# Allegro board HY_TYPEC_ADAPTER_V10_240925.brd
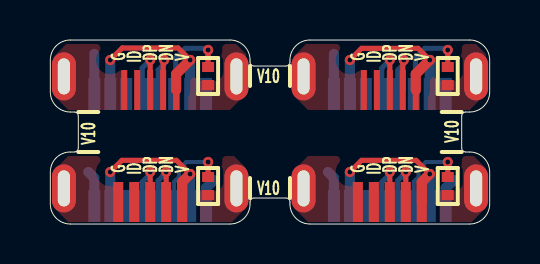
[diagram p0: board, top side]
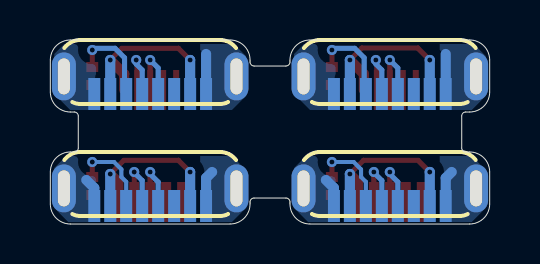
[diagram p1: board, bottom side, seen from below]

Outline 22 x 9.2 mm; copper layers: TOP, BOTTOM. Coordinates in mm from the lower left corner of the outline.
Outline path: 0,8.2 0,6.6 arc(0.29,5.89) 1,5.6 1.2,5.6 arc(1.34,5.54) 1.4,5.4 1.4,3.8 arc(1.34,3.66) 1.2,3.6 1,3.6 arc(0.29,3.31) 0,2.6 0,1 arc(0.29,0.29) 1,0 9,0 arc(9.71,0.29) 10,1 10,1.1 arc(10.06,1.24) 10.2,1.3 11.8,1.3 arc(11.94,1.24) 12,1.1 12,1 arc(12.29,0.29) 13,0 21,0 arc(21.71,0.29) 22,1 22,2.6 arc(21.71,3.31) 21,3.6 20.8,3.6 arc(20.66,3.66) 20.6,3.8 20.6,5.4 arc(20.66,5.54) 20.8,5.6 21,5.6 arc(21.71,5.89) 22,6.6 22,8.2 arc(21.71,8.91) 21,9.2 13,9.2 arc(12.29,8.91) 12,8.2 12,8.1 arc(11.94,7.96) 11.8,7.9 10.2,7.9 arc(10.06,7.96) 10,8.1 10,8.2 arc(9.71,8.91) 9,9.2 1,9.2 arc(0.29,8.91) 0,8.2

## Design rules (mm)
constraint set DEFAULT: min track width 0.203, pair gap 0.203

## Placement (name value [footprint] x y rotation side)
J1  -  [YTC-TC8S-126]  5 0.9 180 bottom
J2  -  [YTC-TC8S-126]  5 6.5 180 bottom
J3  -  [YTC-TC8S-126]  17 0.9 180 bottom
J4  -  [YTC-TC8S-126]  17 6.5 180 bottom
NOREF  -  []  0 0 0 top
NOREF#2  -  []  0 0 90 top
R8  5.1K  [R0402]  7.9 1.9 90 top
R9  5.1K  [R0402]  7.9 7.4 90 top
R10  5.1K  [R0402]  19.9 1.9 90 top
R11  5.1K  [R0402]  19.9 7.4 90 top
TP1  TP  [PAD0R50X2R00]  5.8 1.1 0 top
TP2  TP  [PAD0R50X2R00]  5 1.1 0 top
TP3  TP  [PAD0R50X2R00]  6.6 1.1 0 top
TP4  TP  [PAD0R50X2R00]  3.4 1.1 0 top
TP5  TP  [PAD0R30X2R00]  5.65 6.7 0 top
TP6  TP  [PAD0R30X2R00]  5 6.7 0 top
TP7  TP  [PAD0R30X2R00]  6.3 6.7 0 top
TP8  TP  [PAD0R30X2R00]  3.7 6.7 0 top
TP9  TP  [PAD0R50X2R00]  4.2 1.1 0 top
TP10  TP  [PAD0R30X2R00]  4.35 6.7 0 top
TP11  TP  [PAD0R50X2R00]  16.2 1.1 0 top
TP12  TP  [PAD0R50X2R00]  15.4 1.1 0 top
TP13  TP  [PAD0R50X2R00]  18.6 1.1 0 top
TP14  TP  [PAD0R50X2R00]  17 1.1 0 top
TP15  TP  [PAD0R50X2R00]  17.8 1.1 0 top
TP16  TP  [PAD0R30X2R00]  16.35 6.7 0 top
TP17  TP  [PAD0R30X2R00]  15.7 6.7 0 top
TP18  TP  [PAD0R30X2R00]  18.3 6.7 0 top
TP19  TP  [PAD0R30X2R00]  17 6.7 0 top
TP20  TP  [PAD0R30X2R00]  17.65 6.7 0 top

## Library data of the parts
J1-J4 = YTC-TC8S-126
R8-R11 = R_Generic
TP1-TP20 = TP

## Footprints (pads in the part's own frame, mm; a bottom-side part is the same pattern mirrored in y, then rotated)
PAD0R30X2R00
  rect 0.3x2 smd: 1(0,0)
PAD0R50X2R00
  rect 0.5x2 smd: 1(0,0)
R0402
  rect 0.5x0.6 smd: 1(-0.45,0) 2(0.45,0)
YTC-TC8S-126
  rect 0.6x1.6 smd: 1(-2.8,0) 2(-2,0) 3(-1.2,0) 4(-0.4,0) 5(0.4,0) 6(1.2,0) 7(2,0) 8(2.8,0)
  oval 1.2x2.4 hole 0.6x1.8: 9(-4.32,0.88) 10(4.32,0.88)

## Nets
N17554702: J1.8 J1.10 TP4.1
N17554756: J1.1 J1.9 R8.1
N17554853: J1.2(B9/VBUS) J1.7 TP3.1
N17554865: J1.4 TP1.1
N17554868: J1.5 TP2.1
N17554981: J1.3 R8.2
N17556265: J2.1 J2.9 R9.1
N17556338: J2.2(B9/VBUS) J2.7 TP7.1
N17556342: J2.3 R9.2
N17556344: J2.8 J2.10 TP8.1
N17556348: J2.5 TP6.1
N17556350: J2.4 TP5.1
N17558324: J3.1 J3.9 R10.1
N17558403: J3.2(B9/VBUS) J3.7 TP13.1
N17558407: J3.3 R10.2
N17558409: J3.8 J3.10 TP12.1
N17558413: J3.5 TP14.1
N17558415: J3.4 TP15.1
N17558449: J4.1 J4.9 R11.1
N17558522: J4.2(B9/VBUS) J4.7 TP18.1
N17558526: J4.3 R11.2
N17558528: J4.8 J4.10 TP17.1
N17558532: J4.5 TP19.1
N17558534: J4.4 TP20.1

Pads without a net: J1 6; J2 6; J3 6; J4 6; TP9 1; TP10 1; TP11 1; TP16 1

## Via types
v1: diameter 0.508, hole 0.254, TOP to BOTTOM, 20 vias

## Routing (per net, layer and track width the routed paths; a pad name or vN(x,y) marks a point on that pad's centre or on a via; arc(x,y) is an arc through that point)
N17554702: length 1.8
  BOTTOM w0.508: 1.9,2.6 2.2,2.3 J1.8
N17554756: length 1.5
  BOTTOM w0.508: 8.2,2.2 7.8,1.8 J1.1
N17554853: length 9.4
  TOP w0.254: v1(3,2.6) 3.58,3.18 6.32,3.18 v1(7,2.5)
  TOP w0.508: TP3.1 6.6,2.1 v1(7,2.5)
  BOTTOM w0.508: v1(3,2.6) J1.7 ; J1.2 v1(7,2.5)
N17554865: length 3.4
  TOP w0.254: TP1.1 v1(5.8,2.6)
  BOTTOM w0.254: v1(5.8,2.6) 5.8,2.57 5.4,2.17 J1.4
N17554868: length 3.4
  TOP w0.254: TP2.1 v1(5,2.6)
  BOTTOM w0.254: v1(5,2.6) 5,2.5 4.6,2.1 J1.5
N17554981: length 4.3
  TOP w0.254: R8.2 v1(7.9,3.1)
  BOTTOM w0.203: J1.3 6.2,2.11 6.44,2.35 6.44,2.73 6.81,3.1 v1(7.9,3.1)
N17556338: length 9.7
  TOP w0.254: v1(3,8.2) 3.6,8.8 6.4,8.8 v1(7,8.2)
  TOP w0.508: v1(7,8.2) 6.3,7.5 TP7.1
  BOTTOM w0.508: J2.7 v1(3,8.2) ; J2.2 v1(7,8.2)
N17556342: length 4.5
  TOP w0.254: R9.2 v1(7.9,8.7)
  BOTTOM w0.254: J2.3 6.28,6.58 6.28,8.31 6.76,8.78 7.82,8.78 v1(7.9,8.7)
N17556344: length 2
  BOTTOM w0.508: J2.8 2.2,8.5
N17556348: length 3.4
  TOP w0.254: TP6.1 v1(5,8.2)
  BOTTOM w0.254: J2.5 4.6,7.8 v1(5,8.2)
N17556350: length 3.3
  TOP w0.254: TP5.1 5.65,8.15 v1(5.7,8.2)
  BOTTOM w0.254: v1(5.7,8.2) 5.7,8 5.4,7.7 J2.4
N17558324: length 1.5
  BOTTOM w0.508: J3.1 19.8,1.8 20.2,2.2
N17558403: length 9.4
  TOP w0.254: v1(19,2.5) 18.32,3.18 15.58,3.18 v1(15,2.6)
  TOP w0.508: TP13.1 18.6,2.1 v1(19,2.5)
  BOTTOM w0.508: J3.2 v1(19,2.5) ; v1(15,2.6) J3.7
N17558407: length 4.3
  TOP w0.254: R10.2 v1(19.9,3.1)
  BOTTOM w0.203: J3.3 18.2,2.11 18.44,2.35 18.44,2.73 18.81,3.1 v1(19.9,3.1)
N17558409: length 1.8
  BOTTOM w0.508: J3.8 14.2,2.3 13.9,2.6
N17558413: length 3.4
  TOP w0.254: TP14.1 v1(17,2.6)
  BOTTOM w0.254: v1(17,2.6) 17,2.5 16.6,2.1 J3.5
N17558415: length 3.4
  TOP w0.254: TP15.1 v1(17.8,2.6)
  BOTTOM w0.254: v1(17.8,2.6) 17.8,2.57 17.4,2.17 J3.4
N17558522: length 9.7
  TOP w0.254: v1(19,8.2) 18.42,8.78 15.58,8.78 v1(15,8.2)
  TOP w0.508: TP18.1 18.3,7.5 v1(19,8.2)
  BOTTOM w0.508: J4.2 v1(19,8.2) ; J4.7 v1(15,8.2)
N17558526: length 4.5
  TOP w0.254: R11.2 v1(19.9,8.7)
  BOTTOM w0.254: v1(19.9,8.7) 19.82,8.78 18.76,8.78 18.28,8.31 18.28,6.58 J4.3
N17558528: length 2
  BOTTOM w0.508: J4.8 14.2,8.5
N17558532: length 3.4
  TOP w0.254: TP19.1 v1(17,8.2)
  BOTTOM w0.254: J4.5 16.6,7.8 v1(17,8.2)
N17558534: length 3.3
  TOP w0.254: v1(17.7,8.2) 17.65,8.15 TP20.1
  BOTTOM w0.254: v1(17.7,8.2) 17.7,8 17.4,7.7 J4.4

## Copper pours and planes (outline as drawn; the poured copper is in the pictures)
N17554702 on TOP: 3.7,0.1 3.7,3.4 0.9,3.4 0.2,2.7 0.2,0.8 0.9,0.1
N17554702 on BOTTOM: 2.5,3.4 0.9,3.4 0.2,2.7 0.2,0.8 0.9,0.1 2.5,0.1
N17554756 on TOP, BOTTOM: 7.5,0.1 9.1,0.1 9.8,0.8 9.8,2.8 9.2,3.4 7.5,3.4
N17556265 on TOP: 6.9,9 9.3,9 9.8,8.5 9.8,6.5 9,5.7 6.9,5.7
N17556265 on BOTTOM: 7.5,5.7 9,5.7 9.8,6.5 9.8,8.5 9.3,9 7.5,9
N17556344 on TOP: 3.9,5.7 3.9,9 0.8,9 0.2,8.4 0.2,6.4 0.9,5.7
N17556344 on BOTTOM: 2.5,5.7 2.5,9 0.8,9 0.2,8.4 0.2,6.4 0.9,5.7
N17558324 on TOP, BOTTOM: 19.5,0.1 21.1,0.1 21.8,0.8 21.8,2.8 21.2,3.4 19.5,3.4
N17558409 on TOP: 15.7,0.1 15.7,3.4 12.9,3.4 12.2,2.7 12.2,0.8 12.9,0.1
N17558409 on BOTTOM: 14.5,3.4 12.9,3.4 12.2,2.7 12.2,0.8 12.9,0.1 14.5,0.1
N17558449 on TOP: 18.9,9 21.3,9 21.8,8.5 21.8,6.5 21,5.7 18.9,5.7
N17558449 on BOTTOM: 19.5,5.7 21,5.7 21.8,6.5 21.8,8.5 21.3,9 19.5,9
N17558528 on TOP: 15.9,5.7 15.9,9 12.8,9 12.2,8.4 12.2,6.4 12.9,5.7
N17558528 on BOTTOM: 14.5,5.7 14.5,9 12.8,9 12.2,8.4 12.2,6.4 12.9,5.7

## Text on the board
Ref Des/Silkscreen Top: V10 | G | ID | DP | DN | V
DIMENSION: FIGURE | FINISHED_SIZE | 0.254 | 1.8x0.6 | DRILLED_SIZE | - | DRILL CHART: TOP to BOTTOM | ALL UNITS ARE IN MILLIMETERS | ROTATION | 90.000 | PLATED | QTY | 20 | 8 | 28 | TOTAL HOLES:
